# Altium PCB PCB3.PcbDoc (part 9 of 9)
Units mm, origin at the board's own origin, x right, y up, seen from the top; angles counter-clockwise.
Board outline 233.8 x 110.5 mm, 4 copper layers (Top Layer, Layer 1, Layer 2, Bottom Layer), stack 0.603 mm thick; 1414 components, 1732 nets, 4924 pads, 691 vias.
Unrouted connection lines stored in the file: 2464.
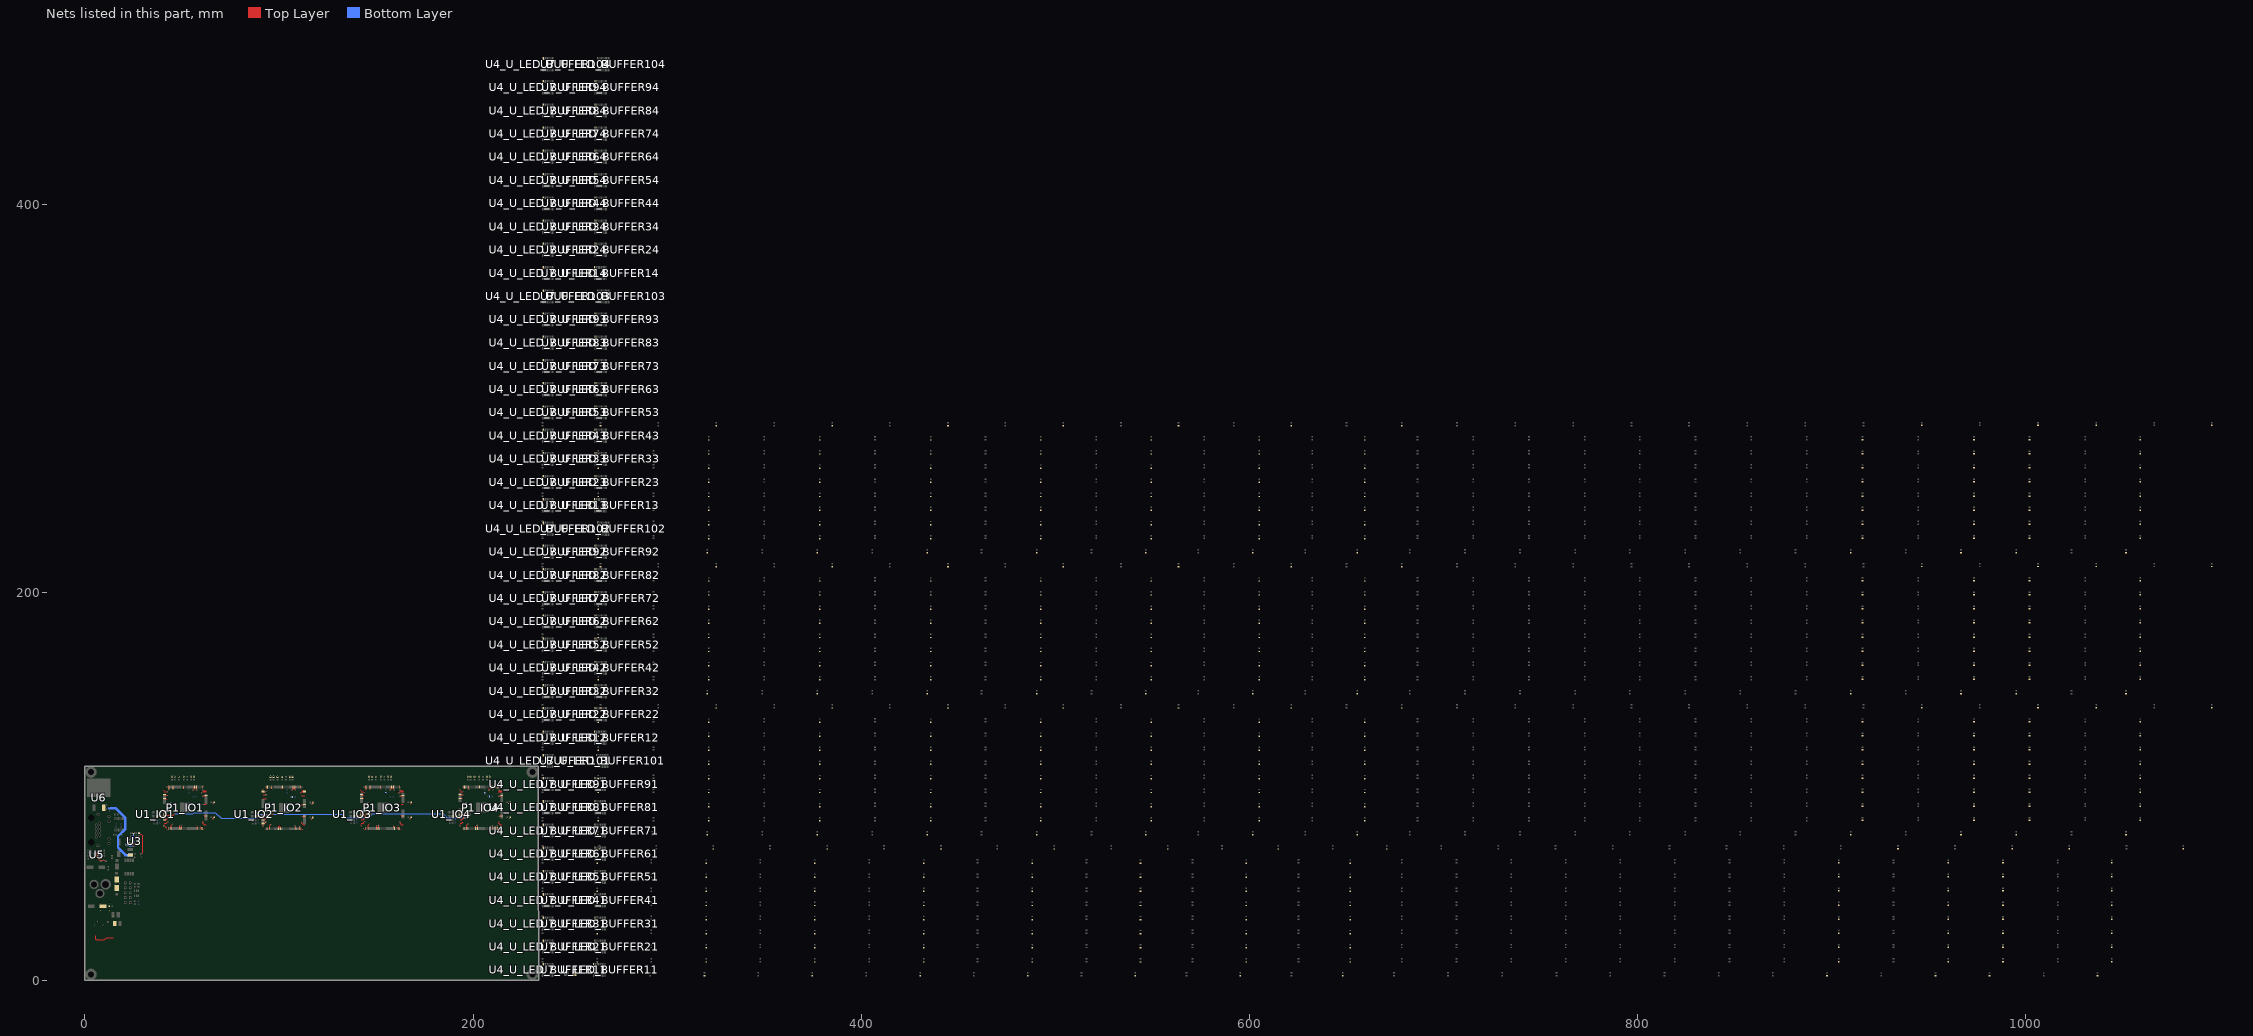
[diagram p11: the nets of this part, all layers, seen from the top]

## Via types
v1: diameter 0.61, hole 0.305, Top Layer to Bottom Layer, 691 vias

## Nets (pads, with @x,y where several pads share a name; then routed paths per layer and width w, separated by ;. In a path a pad name is that pad's centre, name@x,y a point inside that pad or via, vN(x,y) a via of type N, cw(c..) or ccw(c..) an arc to the next point about the centre after c; other vN are vias at no path point) (continued)
VCC_5V: C25.1 C26.2 C27.2 C28_U_LED_BUFFER11.1 C28_U_LED_BUFFER12.1 C28_U_LED_BUFFER13.1 C28_U_LED_BUFFER14.1 C28_U_LED_BUFFER21.1 C28_U_LED_BUFFER22.1 C28_U_LED_BUFFER23.1 C28_U_LED_BUFFER24.1 C28_U_LED_BUFFER31.1 C28_U_LED_BUFFER32.1 C28_U_LED_BUFFER33.1 C28_U_LED_BUFFER34.1 C28_U_LED_BUFFER41.1 C28_U_LED_BUFFER42.1 C28_U_LED_BUFFER43.1 C28_U_LED_BUFFER44.1 C28_U_LED_BUFFER51.1 C28_U_LED_BUFFER52.1 C28_U_LED_BUFFER53.1 C28_U_LED_BUFFER54.1 C28_U_LED_BUFFER61.1 C28_U_LED_BUFFER62.1 C28_U_LED_BUFFER63.1 C28_U_LED_BUFFER64.1 C28_U_LED_BUFFER71.1 C28_U_LED_BUFFER72.1 C28_U_LED_BUFFER73.1 C28_U_LED_BUFFER74.1 C28_U_LED_BUFFER81.1 C28_U_LED_BUFFER82.1 C28_U_LED_BUFFER83.1 C28_U_LED_BUFFER84.1 C28_U_LED_BUFFER91.1 C28_U_LED_BUFFER92.1 C28_U_LED_BUFFER93.1 C28_U_LED_BUFFER94.1 C28_U_LED_BUFFER101.1 C28_U_LED_BUFFER102.1 C28_U_LED_BUFFER103.1 C28_U_LED_BUFFER104.1 C29.2 C32_U_LED_BUFFER11.1 C32_U_LED_BUFFER12.1 C32_U_LED_BUFFER13.1 C32_U_LED_BUFFER14.1 C32_U_LED_BUFFER21.1 C32_U_LED_BUFFER22.1 C32_U_LED_BUFFER23.1 C32_U_LED_BUFFER24.1 C32_U_LED_BUFFER31.1 C32_U_LED_BUFFER32.1 C32_U_LED_BUFFER33.1 C32_U_LED_BUFFER34.1 C32_U_LED_BUFFER41.1 C32_U_LED_BUFFER42.1 C32_U_LED_BUFFER43.1 C32_U_LED_BUFFER44.1 C32_U_LED_BUFFER51.1 C32_U_LED_BUFFER52.1 C32_U_LED_BUFFER53.1 C32_U_LED_BUFFER54.1 C32_U_LED_BUFFER61.1 C32_U_LED_BUFFER62.1 C32_U_LED_BUFFER63.1 C32_U_LED_BUFFER64.1 C32_U_LED_BUFFER71.1 C32_U_LED_BUFFER72.1 C32_U_LED_BUFFER73.1 C32_U_LED_BUFFER74.1 C32_U_LED_BUFFER81.1 C32_U_LED_BUFFER82.1 C32_U_LED_BUFFER83.1 C32_U_LED_BUFFER84.1 C32_U_LED_BUFFER91.1 C32_U_LED_BUFFER92.1 C32_U_LED_BUFFER93.1 C32_U_LED_BUFFER94.1 C32_U_LED_BUFFER101.1 C32_U_LED_BUFFER102.1 C32_U_LED_BUFFER103.1 C32_U_LED_BUFFER104.1 C34_U_LED_BUFFER11.1 C34_U_LED_BUFFER12.1 C34_U_LED_BUFFER13.1 C34_U_LED_BUFFER14.1 C34_U_LED_BUFFER21.1 C34_U_LED_BUFFER22.1 C34_U_LED_BUFFER23.1 C34_U_LED_BUFFER24.1 C34_U_LED_BUFFER31.1 C34_U_LED_BUFFER32.1 C34_U_LED_BUFFER33.1 C34_U_LED_BUFFER34.1 C34_U_LED_BUFFER41.1 C34_U_LED_BUFFER42.1 C34_U_LED_BUFFER43.1 C34_U_LED_BUFFER44.1 C34_U_LED_BUFFER51.1 C34_U_LED_BUFFER52.1 C34_U_LED_BUFFER53.1 C34_U_LED_BUFFER54.1 C34_U_LED_BUFFER61.1 C34_U_LED_BUFFER62.1 C34_U_LED_BUFFER63.1 C34_U_LED_BUFFER64.1 C34_U_LED_BUFFER71.1 C34_U_LED_BUFFER72.1 C34_U_LED_BUFFER73.1 C34_U_LED_BUFFER74.1 C34_U_LED_BUFFER81.1 C34_U_LED_BUFFER82.1 C34_U_LED_BUFFER83.1 C34_U_LED_BUFFER84.1 C34_U_LED_BUFFER91.1 C34_U_LED_BUFFER92.1 C34_U_LED_BUFFER93.1 C34_U_LED_BUFFER94.1 C34_U_LED_BUFFER101.1 C34_U_LED_BUFFER102.1 C34_U_LED_BUFFER103.1 C34_U_LED_BUFFER104.1 C35_U_LED_BUFFER11.1 C35_U_LED_BUFFER12.1 C35_U_LED_BUFFER13.1 C35_U_LED_BUFFER14.1 C35_U_LED_BUFFER21.1 C35_U_LED_BUFFER22.1 C35_U_LED_BUFFER23.1 C35_U_LED_BUFFER24.1 C35_U_LED_BUFFER31.1 C35_U_LED_BUFFER32.1 C35_U_LED_BUFFER33.1 C35_U_LED_BUFFER34.1 C35_U_LED_BUFFER41.1 C35_U_LED_BUFFER42.1 C35_U_LED_BUFFER43.1 C35_U_LED_BUFFER44.1 C35_U_LED_BUFFER51.1 C35_U_LED_BUFFER52.1 C35_U_LED_BUFFER53.1 C35_U_LED_BUFFER54.1 C35_U_LED_BUFFER61.1 C35_U_LED_BUFFER62.1 C35_U_LED_BUFFER63.1 C35_U_LED_BUFFER64.1 C35_U_LED_BUFFER71.1 C35_U_LED_BUFFER72.1 C35_U_LED_BUFFER73.1 C35_U_LED_BUFFER74.1 C35_U_LED_BUFFER81.1 C35_U_LED_BUFFER82.1 C35_U_LED_BUFFER83.1 C35_U_LED_BUFFER84.1 C35_U_LED_BUFFER91.1 C35_U_LED_BUFFER92.1 C35_U_LED_BUFFER93.1 C35_U_LED_BUFFER94.1 C35_U_LED_BUFFER101.1 C35_U_LED_BUFFER102.1 C35_U_LED_BUFFER103.1 C35_U_LED_BUFFER104.1 D7_U_LED_BUFFER11.1 D7_U_LED_BUFFER12.1 D7_U_LED_BUFFER13.1 D7_U_LED_BUFFER14.1 D7_U_LED_BUFFER21.1 D7_U_LED_BUFFER22.1 D7_U_LED_BUFFER23.1 D7_U_LED_BUFFER24.1 D7_U_LED_BUFFER31.1 D7_U_LED_BUFFER32.1 D7_U_LED_BUFFER33.1 D7_U_LED_BUFFER34.1 D7_U_LED_BUFFER41.1 D7_U_LED_BUFFER42.1 D7_U_LED_BUFFER43.1 D7_U_LED_BUFFER44.1 D7_U_LED_BUFFER51.1 D7_U_LED_BUFFER52.1 D7_U_LED_BUFFER53.1 D7_U_LED_BUFFER54.1 D7_U_LED_BUFFER61.1 D7_U_LED_BUFFER62.1 D7_U_LED_BUFFER63.1 D7_U_LED_BUFFER64.1 D7_U_LED_BUFFER71.1 D7_U_LED_BUFFER72.1 D7_U_LED_BUFFER73.1 D7_U_LED_BUFFER74.1 D7_U_LED_BUFFER81.1 D7_U_LED_BUFFER82.1 D7_U_LED_BUFFER83.1 D7_U_LED_BUFFER84.1 D7_U_LED_BUFFER91.1 D7_U_LED_BUFFER92.1 D7_U_LED_BUFFER93.1 D7_U_LED_BUFFER94.1 D7_U_LED_BUFFER101.1 D7_U_LED_BUFFER102.1 D7_U_LED_BUFFER103.1 D7_U_LED_BUFFER104.1 D8_U_LED_BUFFER11.1 D8_U_LED_BUFFER12.1 D8_U_LED_BUFFER13.1 D8_U_LED_BUFFER14.1 D8_U_LED_BUFFER21.1 D8_U_LED_BUFFER22.1 D8_U_LED_BUFFER23.1 D8_U_LED_BUFFER24.1 D8_U_LED_BUFFER31.1 D8_U_LED_BUFFER32.1 D8_U_LED_BUFFER33.1 D8_U_LED_BUFFER34.1 D8_U_LED_BUFFER41.1 D8_U_LED_BUFFER42.1 D8_U_LED_BUFFER43.1 D8_U_LED_BUFFER44.1 D8_U_LED_BUFFER51.1 D8_U_LED_BUFFER52.1 D8_U_LED_BUFFER53.1 D8_U_LED_BUFFER54.1 D8_U_LED_BUFFER61.1 D8_U_LED_BUFFER62.1 D8_U_LED_BUFFER63.1 D8_U_LED_BUFFER64.1 D8_U_LED_BUFFER71.1 D8_U_LED_BUFFER72.1 D8_U_LED_BUFFER73.1 D8_U_LED_BUFFER74.1 D8_U_LED_BUFFER81.1 D8_U_LED_BUFFER82.1 D8_U_LED_BUFFER83.1 D8_U_LED_BUFFER84.1 D8_U_LED_BUFFER91.1 D8_U_LED_BUFFER92.1 D8_U_LED_BUFFER93.1 D8_U_LED_BUFFER94.1 D8_U_LED_BUFFER101.1 D8_U_LED_BUFFER102.1 D8_U_LED_BUFFER103.1 D8_U_LED_BUFFER104.1 D9_U_LED_BUFFER11.1 D9_U_LED_BUFFER12.1 D9_U_LED_BUFFER13.1 D9_U_LED_BUFFER14.1 D9_U_LED_BUFFER21.1 D9_U_LED_BUFFER22.1 D9_U_LED_BUFFER23.1 D9_U_LED_BUFFER24.1 D9_U_LED_BUFFER31.1 D9_U_LED_BUFFER32.1 D9_U_LED_BUFFER33.1 D9_U_LED_BUFFER34.1 D9_U_LED_BUFFER41.1 D9_U_LED_BUFFER42.1 D9_U_LED_BUFFER43.1 D9_U_LED_BUFFER44.1 D9_U_LED_BUFFER51.1 D9_U_LED_BUFFER52.1 D9_U_LED_BUFFER53.1 D9_U_LED_BUFFER54.1 D9_U_LED_BUFFER61.1 D9_U_LED_BUFFER62.1 D9_U_LED_BUFFER63.1 D9_U_LED_BUFFER64.1 D9_U_LED_BUFFER71.1 D9_U_LED_BUFFER72.1 D9_U_LED_BUFFER73.1 D9_U_LED_BUFFER74.1 D9_U_LED_BUFFER81.1 D9_U_LED_BUFFER82.1 D9_U_LED_BUFFER83.1 D9_U_LED_BUFFER84.1 D9_U_LED_BUFFER91.1 D9_U_LED_BUFFER92.1 D9_U_LED_BUFFER93.1 D9_U_LED_BUFFER94.1 D9_U_LED_BUFFER101.1 D9_U_LED_BUFFER102.1 D9_U_LED_BUFFER103.1 D9_U_LED_BUFFER104.1 D10_U_LED_BUFFER11.1 D10_U_LED_BUFFER12.1 D10_U_LED_BUFFER13.1 D10_U_LED_BUFFER14.1 D10_U_LED_BUFFER21.1 D10_U_LED_BUFFER22.1 D10_U_LED_BUFFER23.1 D10_U_LED_BUFFER24.1 D10_U_LED_BUFFER31.1 D10_U_LED_BUFFER32.1 D10_U_LED_BUFFER33.1 D10_U_LED_BUFFER34.1 D10_U_LED_BUFFER41.1 D10_U_LED_BUFFER42.1 D10_U_LED_BUFFER43.1 D10_U_LED_BUFFER44.1 D10_U_LED_BUFFER51.1 D10_U_LED_BUFFER52.1 D10_U_LED_BUFFER53.1 D10_U_LED_BUFFER54.1 D10_U_LED_BUFFER61.1 D10_U_LED_BUFFER62.1 D10_U_LED_BUFFER63.1 D10_U_LED_BUFFER64.1 D10_U_LED_BUFFER71.1 D10_U_LED_BUFFER72.1 D10_U_LED_BUFFER73.1 D10_U_LED_BUFFER74.1 D10_U_LED_BUFFER81.1 D10_U_LED_BUFFER82.1 D10_U_LED_BUFFER83.1 D10_U_LED_BUFFER84.1 D10_U_LED_BUFFER91.1 D10_U_LED_BUFFER92.1 D10_U_LED_BUFFER93.1 D10_U_LED_BUFFER94.1 D10_U_LED_BUFFER101.1 D10_U_LED_BUFFER102.1 D10_U_LED_BUFFER103.1 D10_U_LED_BUFFER104.1 D11_U_LED_BUFFER11.1 D11_U_LED_BUFFER12.1 D11_U_LED_BUFFER13.1 D11_U_LED_BUFFER14.1 D11_U_LED_BUFFER21.1 D11_U_LED_BUFFER22.1 D11_U_LED_BUFFER23.1 D11_U_LED_BUFFER24.1 D11_U_LED_BUFFER31.1 D11_U_LED_BUFFER32.1 D11_U_LED_BUFFER33.1 D11_U_LED_BUFFER34.1 D11_U_LED_BUFFER41.1 D11_U_LED_BUFFER42.1 D11_U_LED_BUFFER43.1 D11_U_LED_BUFFER44.1 D11_U_LED_BUFFER51.1 D11_U_LED_BUFFER52.1 D11_U_LED_BUFFER53.1 D11_U_LED_BUFFER54.1 D11_U_LED_BUFFER61.1 D11_U_LED_BUFFER62.1 D11_U_LED_BUFFER63.1 D11_U_LED_BUFFER64.1 D11_U_LED_BUFFER71.1 D11_U_LED_BUFFER72.1 D11_U_LED_BUFFER73.1 D11_U_LED_BUFFER74.1 D11_U_LED_BUFFER81.1 D11_U_LED_BUFFER82.1 D11_U_LED_BUFFER83.1 D11_U_LED_BUFFER84.1 D11_U_LED_BUFFER91.1 D11_U_LED_BUFFER92.1 D11_U_LED_BUFFER93.1 D11_U_LED_BUFFER94.1 D11_U_LED_BUFFER101.1 D11_U_LED_BUFFER102.1 D11_U_LED_BUFFER103.1 D11_U_LED_BUFFER104.1 D12_U_LED_BUFFER11.1 D12_U_LED_BUFFER12.1 D12_U_LED_BUFFER13.1 D12_U_LED_BUFFER14.1 D12_U_LED_BUFFER21.1 D12_U_LED_BUFFER22.1 D12_U_LED_BUFFER23.1 D12_U_LED_BUFFER24.1 D12_U_LED_BUFFER31.1 D12_U_LED_BUFFER32.1 D12_U_LED_BUFFER33.1 D12_U_LED_BUFFER34.1 D12_U_LED_BUFFER41.1 D12_U_LED_BUFFER42.1 D12_U_LED_BUFFER43.1 D12_U_LED_BUFFER44.1 D12_U_LED_BUFFER51.1 D12_U_LED_BUFFER52.1 D12_U_LED_BUFFER53.1 D12_U_LED_BUFFER54.1 D12_U_LED_BUFFER61.1 D12_U_LED_BUFFER62.1 D12_U_LED_BUFFER63.1 D12_U_LED_BUFFER64.1 D12_U_LED_BUFFER71.1 D12_U_LED_BUFFER72.1 D12_U_LED_BUFFER73.1 D12_U_LED_BUFFER74.1 D12_U_LED_BUFFER81.1 D12_U_LED_BUFFER82.1 D12_U_LED_BUFFER83.1 D12_U_LED_BUFFER84.1 D12_U_LED_BUFFER91.1 D12_U_LED_BUFFER92.1 D12_U_LED_BUFFER93.1 D12_U_LED_BUFFER94.1 D12_U_LED_BUFFER101.1 D12_U_LED_BUFFER102.1 D12_U_LED_BUFFER103.1 D12_U_LED_BUFFER104.1 D13_U_LED_BUFFER11.1 D13_U_LED_BUFFER12.1 D13_U_LED_BUFFER13.1 D13_U_LED_BUFFER14.1 D13_U_LED_BUFFER21.1 D13_U_LED_BUFFER22.1 D13_U_LED_BUFFER23.1 D13_U_LED_BUFFER24.1 D13_U_LED_BUFFER31.1 D13_U_LED_BUFFER32.1 D13_U_LED_BUFFER33.1 D13_U_LED_BUFFER34.1 D13_U_LED_BUFFER41.1 D13_U_LED_BUFFER42.1 D13_U_LED_BUFFER43.1 D13_U_LED_BUFFER44.1 D13_U_LED_BUFFER51.1 D13_U_LED_BUFFER52.1 D13_U_LED_BUFFER53.1 D13_U_LED_BUFFER54.1 D13_U_LED_BUFFER61.1 D13_U_LED_BUFFER62.1 D13_U_LED_BUFFER63.1 D13_U_LED_BUFFER64.1 D13_U_LED_BUFFER71.1 D13_U_LED_BUFFER72.1 D13_U_LED_BUFFER73.1 D13_U_LED_BUFFER74.1 D13_U_LED_BUFFER81.1 D13_U_LED_BUFFER82.1 D13_U_LED_BUFFER83.1 D13_U_LED_BUFFER84.1 D13_U_LED_BUFFER91.1 D13_U_LED_BUFFER92.1 D13_U_LED_BUFFER93.1 D13_U_LED_BUFFER94.1 D13_U_LED_BUFFER101.1 D13_U_LED_BUFFER102.1 D13_U_LED_BUFFER103.1 D13_U_LED_BUFFER104.1 D14_U_LED_BUFFER11.1 D14_U_LED_BUFFER12.1 D14_U_LED_BUFFER13.1 D14_U_LED_BUFFER14.1 D14_U_LED_BUFFER21.1 D14_U_LED_BUFFER22.1 D14_U_LED_BUFFER23.1 D14_U_LED_BUFFER24.1 D14_U_LED_BUFFER31.1 D14_U_LED_BUFFER32.1 D14_U_LED_BUFFER33.1 D14_U_LED_BUFFER34.1 D14_U_LED_BUFFER41.1 D14_U_LED_BUFFER42.1 D14_U_LED_BUFFER43.1 D14_U_LED_BUFFER44.1 D14_U_LED_BUFFER51.1 D14_U_LED_BUFFER52.1 D14_U_LED_BUFFER53.1 D14_U_LED_BUFFER54.1 D14_U_LED_BUFFER61.1 D14_U_LED_BUFFER62.1 D14_U_LED_BUFFER63.1 D14_U_LED_BUFFER64.1 D14_U_LED_BUFFER71.1 D14_U_LED_BUFFER72.1 D14_U_LED_BUFFER73.1 D14_U_LED_BUFFER74.1 D14_U_LED_BUFFER81.1 D14_U_LED_BUFFER82.1 D14_U_LED_BUFFER83.1 D14_U_LED_BUFFER84.1 D14_U_LED_BUFFER91.1 D14_U_LED_BUFFER92.1 D14_U_LED_BUFFER93.1 D14_U_LED_BUFFER94.1 D14_U_LED_BUFFER101.1 D14_U_LED_BUFFER102.1 D14_U_LED_BUFFER103.1 D14_U_LED_BUFFER104.1 L4.2 R18.2 U4_U_LED_BUFFER11.19 U4_U_LED_BUFFER12.19 U4_U_LED_BUFFER13.19 U4_U_LED_BUFFER14.19 U4_U_LED_BUFFER21.19 U4_U_LED_BUFFER22.19 U4_U_LED_BUFFER23.19 U4_U_LED_BUFFER24.19 U4_U_LED_BUFFER31.19 U4_U_LED_BUFFER32.19 U4_U_LED_BUFFER33.19 U4_U_LED_BUFFER34.19 U4_U_LED_BUFFER41.19 U4_U_LED_BUFFER42.19 U4_U_LED_BUFFER43.19 U4_U_LED_BUFFER44.19 U4_U_LED_BUFFER51.19 U4_U_LED_BUFFER52.19 U4_U_LED_BUFFER53.19 U4_U_LED_BUFFER54.19 U4_U_LED_BUFFER61.19 U4_U_LED_BUFFER62.19 U4_U_LED_BUFFER63.19 U4_U_LED_BUFFER64.19 U4_U_LED_BUFFER71.19 U4_U_LED_BUFFER72.19 U4_U_LED_BUFFER73.19 U4_U_LED_BUFFER74.19 U4_U_LED_BUFFER81.19 U4_U_LED_BUFFER82.19 U4_U_LED_BUFFER83.19 U4_U_LED_BUFFER84.19 U4_U_LED_BUFFER91.19 U4_U_LED_BUFFER92.19 U4_U_LED_BUFFER93.19 U4_U_LED_BUFFER94.19 U4_U_LED_BUFFER101.19 U4_U_LED_BUFFER102.19 U4_U_LED_BUFFER103.19 U4_U_LED_BUFFER104.19 U6.3 U7_U_LED_BUFFER11.20 U7_U_LED_BUFFER12.20 U7_U_LED_BUFFER13.20 U7_U_LED_BUFFER14.20 U7_U_LED_BUFFER21.20 U7_U_LED_BUFFER22.20 U7_U_LED_BUFFER23.20 U7_U_LED_BUFFER24.20 U7_U_LED_BUFFER31.20 U7_U_LED_BUFFER32.20 U7_U_LED_BUFFER33.20 U7_U_LED_BUFFER34.20 U7_U_LED_BUFFER41.20 U7_U_LED_BUFFER42.20 U7_U_LED_BUFFER43.20 U7_U_LED_BUFFER44.20 U7_U_LED_BUFFER51.20 U7_U_LED_BUFFER52.20 U7_U_LED_BUFFER53.20 U7_U_LED_BUFFER54.20 U7_U_LED_BUFFER61.20 U7_U_LED_BUFFER62.20 U7_U_LED_BUFFER63.20 U7_U_LED_BUFFER64.20 U7_U_LED_BUFFER71.20 U7_U_LED_BUFFER72.20 U7_U_LED_BUFFER73.20 U7_U_LED_BUFFER74.20 U7_U_LED_BUFFER81.20 U7_U_LED_BUFFER82.20 U7_U_LED_BUFFER83.20 U7_U_LED_BUFFER84.20 U7_U_LED_BUFFER91.20 U7_U_LED_BUFFER92.20 U7_U_LED_BUFFER93.20 U7_U_LED_BUFFER94.20 U7_U_LED_BUFFER101.20 U7_U_LED_BUFFER102.20 U7_U_LED_BUFFER103.20 U7_U_LED_BUFFER104.20 | length 46.4
  Top Layer w0.508: 28.53,75.714 29.68,74.564 29.68,65.858 v1(29.061,65.24)
  Bottom Layer w1.27: 12.478,88.792 15.78,88.792 20.86,83.712 20.86,78.124 17.05,74.314 17.05,68.436 20.86,64.626 C27.2@23.357,64.626
  other v1: 25.722,63.543 29.102,63.652 25.699,65.147 21.812,65.485 12.732,87.268 10.954,88.538 12.732,89.554 10.954,90.57
VCC_12V: C19.2 C20.2 C73.1 C74.2 D5.1 D6.1 R15.2 R37.1 U3.2 U5.1 U5.8 | length 30.3
  Top Layer w0.305: U3.2@25.171,70.788 25.171,69.533 v1(25.255,69.449)
  Top Layer w0.381: 5.631,23.044 5.683,22.991 5.683,21.213 5.734,21.213 6.008,20.939 10.017,20.939 11.192,22.113 14.514,22.113 ; U5.1@6.329,65.571 U5.8@6.329,64.221 6.329,63.479 7.767,62.041 10.332,62.041
  Bottom Layer w0.305: C19.2@22.338,70.008 C19.2@22.897,69.449 ; v1(24.985,76.28) 25.255,76.01 v1(25.255,69.449)
  Bottom Layer w0.381: v1@8.415,63.267 8.423,63.274 R37.1@8.423,64.171
  Bottom Layer w0.508: C19.2@22.897,69.449 v1(25.255,69.449)
  other v1: 9.468,28.452 4.896,28.604 11.805,30.179 6.903,30.408 14.529,33.133 7.947,36.481 12.587,36.481 11.617,38.2 7.947,40.049 12.587,40.049 15.369,49.826 17.388,49.826 8.207,61.476 10.935,61.476 9.426,62.126 8.407,63.191 21.292,69.432 21.292,70.504 23.011,70.491
VCC_FPGA_IO1: P1_IO1.1 P1_IO1.2 P1_IO1.5 P1_IO1.9 P1_IO1.23 P1_IO1.31 P1_IO1.34 P1_IO1.35 P1_IO1.36 P1_IO1.37 P1_IO1.40 P1_IO1.49 P1_IO1.51 P1_IO1.67 P1_IO1.71 P1_IO1.72 P1_IO1.73 P1_IO1.82 P1_IO1.94 P1_IO1.103 P1_IO1.107 P1_IO1.108 P1_IO1.109 P1_IO1.115 P1_IO1.117 P1_IO1.128 P1_IO1.139 P1_IO1.143 P1_IO1.144 R1_IO1.1 R2_IO1.1 R3_IO1.1 R4_IO1.1 R5_IO1.1 R6_IO1.1 R7_IO1.1 R14_IO1.2 R20_IO1.2 | length 45.6
  Top Layer w0.254: v1(40.929,98.376) 40.929,97.785 P1_IO1.1@40.944,97.769 P1_IO1.1@40.95,97.763 ; 40.944,81.019 41.827,81.019 42.328,81.52 42.333,81.52 42.562,81.749 v1(42.658,81.749) ; P1_IO1.31@40.944,82.769 40.95,82.775 41.881,82.775 42.938,83.831 v1(42.938,84.187) ; P1_IO1.23@40.944,86.769 v1(42.187,86.769) ; P1_IO1.9@40.944,93.769 40.95,93.763 42.502,93.763 v1@42.571,93.832 ; P1_IO1.5@40.944,95.769 40.958,95.755 42.461,95.755 v1(42.475,95.741) ; P1_IO1.2@40.944,97.269 40.95,97.275 42.38,97.275 v1(42.387,97.282) ; P1_IO1.36@40.947,80.272 P1_IO1.36@40.944,80.269 40.944,79.761 42.424,78.281 P1_IO1.37@42.932,78.281 ; v1(42.424,99.76) 42.426,99.757 P1_IO1.144@42.932,99.757 P1_IO1.144@42.938,99.763 ; v1(43.225,98.348) 43.229,98.348 43.432,98.551 P1_IO1.143@43.432,99.757 ; P1_IO1.40@44.432,78.281 44.432,79.916 44.971,80.455 v1(44.971,80.509) ; v1(45.432,98.514) P1_IO1.139@45.432,99.757 ; P1_IO1.49@48.932,78.281 48.945,78.294 48.945,79.856 v1(48.957,79.869) ; v1(49.903,80.006) 49.928,79.981 49.928,78.285 P1_IO1.51@49.932,78.281 ; v1(50.932,98.514) P1_IO1.128@50.932,99.757 ; v1(55.814,98.084) 56.432,98.702 P1_IO1.117@56.432,99.757 ; P1_IO1.115@57.432,99.757 57.432,98.657 57.732,98.356 v1(57.732,98.285) ; v1(57.452,79.501) 57.531,79.501 57.909,79.123 57.909,78.304 P1_IO1.67@57.932,78.281 ; v1@59.956,79.361 59.931,79.336 P1_IO1.71@59.931,78.282 ; v1@60.286,96.735 60.82,97.269 P1_IO1.107@62.42,97.269 ; P1_IO1.72@60.432,78.281 P1_IO1.72@60.432,78.281 v1(61.236,78.282) ; P1_IO1.109@60.432,99.757 60.475,99.8 v1(60.981,99.8) ; v1(60.842,81.775) 60.842,81.029 61.579,80.292 62.397,80.292 P1_IO1.73@62.42,80.269 ; v1(60.844,98.105) 61.18,97.769 P1_IO1.108@62.42,97.769 ; v1(60.901,95.031) 60.998,95.031 61.236,95.269 P1_IO1.103@62.42,95.269 ; v1(60.998,90.532) 61.081,90.532 61.325,90.776 62.413,90.776 P1_IO1.94@62.42,90.769 ; v1(61.06,84.523) 61.156,84.523 61.425,84.792 62.398,84.792 P1_IO1.82@62.42,84.769 ; v1(65.988,83.254) 65.988,83.349 66.687,84.047 R20_IO1.2@66.687,84.111 ; v1(66.102,91.179) 66.147,91.179 66.712,91.743 R14_IO1.2@66.712,91.807 ; P1_IO1.71@59.931,78.282 P1_IO1.71@59.932,78.281
  other v1: 42.43,78.276 59.93,79.412 40.91,79.608 44.56,91.234 42.557,93.814 60.243,96.725 59.615,97.375 44.792,105.269 46.29,105.269 48.322,105.269 50.862,105.345 54.799,105.396 56.077,105.436
VCC_FPGA_IO2: P1_IO2.1 P1_IO2.2 P1_IO2.5 P1_IO2.9 P1_IO2.23 P1_IO2.31 P1_IO2.34 P1_IO2.35 P1_IO2.36 P1_IO2.37 P1_IO2.40 P1_IO2.49 P1_IO2.51 P1_IO2.67 P1_IO2.71 P1_IO2.72 P1_IO2.73 P1_IO2.82 P1_IO2.94 P1_IO2.103 P1_IO2.107 P1_IO2.108 P1_IO2.109 P1_IO2.115 P1_IO2.117 P1_IO2.128 P1_IO2.139 P1_IO2.143 P1_IO2.144 R1_IO2.1 R2_IO2.1 R3_IO2.1 R4_IO2.1 R5_IO2.1 R6_IO2.1 R7_IO2.1 R14_IO2.2 R20_IO2.2 R30.1 | length 44
  Top Layer w0.254: v1(91.738,79.542) 91.772,79.575 P1_IO2.36@91.772,80.203 P1_IO2.36@91.775,80.206 ; v1(91.756,98.31) 91.756,97.719 P1_IO2.1@91.772,97.703 P1_IO2.1@91.778,97.697 ; 91.772,80.953 92.655,80.953 93.156,81.454 93.161,81.454 93.39,81.683 v1(93.486,81.683) ; P1_IO2.31@91.772,82.703 91.778,82.709 92.709,82.709 93.766,83.765 v1(93.766,84.121) ; P1_IO2.23@91.772,86.703 v1(93.015,86.703) ; P1_IO2.9@91.772,93.703 91.778,93.697 93.33,93.697 v1@93.399,93.766 ; P1_IO2.5@91.772,95.703 91.786,95.689 93.289,95.689 v1(93.303,95.675) ; P1_IO2.2@91.772,97.203 91.778,97.209 93.208,97.209 v1(93.215,97.216) ; v1(93.251,99.694) 93.254,99.691 P1_IO2.144@93.76,99.691 P1_IO2.144@93.766,99.697 ; v1(93.257,78.21) 93.315,78.21 93.321,78.215 P1_IO2.37@93.76,78.215 ; v1(94.053,98.282) 94.057,98.282 94.26,98.485 P1_IO2.143@94.26,99.691 ; P1_IO2.40@95.26,78.215 95.26,79.85 95.799,80.389 v1(95.799,80.443) ; v1(96.26,98.448) P1_IO2.139@96.26,99.691 ; P1_IO2.49@99.76,78.215 99.773,78.228 99.773,79.79 v1(99.785,79.803) ; v1(100.731,79.94) 100.756,79.915 100.756,78.219 P1_IO2.51@100.76,78.215 ; v1(101.76,98.448) P1_IO2.128@101.76,99.691 ; v1(106.642,98.018) 107.26,98.636 P1_IO2.117@107.26,99.691 ; P1_IO2.115@108.26,99.691 108.26,98.591 108.56,98.29 v1(108.56,98.219) ; v1(108.28,79.435) 108.358,79.435 108.737,79.057 108.737,78.238 P1_IO2.67@108.76,78.215 ; v1@110.784,79.295 110.759,79.27 P1_IO2.71@110.759,78.216 ; v1@111.114,96.669 111.648,97.203 P1_IO2.107@113.248,97.203 ; P1_IO2.72@111.26,78.215 P1_IO2.72@111.26,78.215 v1(112.064,78.216) ; P1_IO2.109@111.26,99.691 111.302,99.734 v1(111.809,99.734) ; v1(111.67,81.709) 111.67,80.963 112.406,80.226 113.225,80.226 P1_IO2.73@113.248,80.203 ; v1(111.672,98.039) 112.008,97.703 P1_IO2.108@113.248,97.703 ; v1(111.729,94.965) 111.826,94.965 112.064,95.203 P1_IO2.103@113.248,95.203 ; v1(111.826,90.466) 111.909,90.466 112.153,90.71 113.241,90.71 P1_IO2.94@113.248,90.703 ; v1(111.888,84.457) 111.984,84.457 112.253,84.725 113.226,84.725 P1_IO2.82@113.248,84.703 ; v1(116.605,83.083) 116.616,83.083 117.515,83.981 R20_IO2.2@117.515,84.045 ; v1(116.856,90.932) 116.856,90.993 117.54,91.677 R14_IO2.2@117.54,91.741 ; P1_IO2.71@110.759,78.216 P1_IO2.71@110.76,78.215
  other v1: 110.758,79.346 94.97,90.656 93.385,93.748 106.344,94.626 111.071,96.659 95.62,105.203 97.118,105.203 99.15,105.203 101.69,105.279 105.627,105.33 106.905,105.37
VCC_FPGA_IO3: P1_IO3.1 P1_IO3.2 P1_IO3.5 P1_IO3.9 P1_IO3.23 P1_IO3.31 P1_IO3.34 P1_IO3.35 P1_IO3.36 P1_IO3.37 P1_IO3.40 P1_IO3.49 P1_IO3.51 P1_IO3.67 P1_IO3.71 P1_IO3.72 P1_IO3.73 P1_IO3.82 P1_IO3.94 P1_IO3.103 P1_IO3.107 P1_IO3.108 P1_IO3.109 P1_IO3.115 P1_IO3.117 P1_IO3.128 P1_IO3.139 P1_IO3.143 P1_IO3.144 R1_IO3.1 R2_IO3.1 R3_IO3.1 R4_IO3.1 R5_IO3.1 R6_IO3.1 R7_IO3.1 R14_IO3.2 R20_IO3.2 R31.1 | length 44.2
  Top Layer w0.254: v1(142.46,79.629) 142.493,79.663 P1_IO3.36@142.493,80.291 P1_IO3.36@142.496,80.294 ; v1(142.478,98.398) 142.478,97.806 P1_IO3.1@142.493,97.791 P1_IO3.1@142.499,97.785 ; 142.493,81.041 143.376,81.041 143.877,81.542 143.883,81.542 144.111,81.77 v1(144.207,81.77) ; P1_IO3.31@142.493,82.791 142.499,82.796 143.43,82.796 144.436,83.802 v1(144.436,84.682) ; P1_IO3.23@142.493,86.791 v1(143.737,86.791) ; P1_IO3.9@142.493,93.791 142.5,93.784 144.052,93.784 v1@144.121,93.853 ; P1_IO3.5@142.493,95.791 142.507,95.777 144.01,95.777 v1(144.024,95.763) ; P1_IO3.2@142.493,97.291 142.499,97.297 143.93,97.297 v1(143.936,97.303) ; v1(143.973,99.781) 143.975,99.779 P1_IO3.144@144.481,99.779 P1_IO3.144@144.487,99.785 ; v1(143.979,78.297) 144.037,78.297 144.042,78.303 P1_IO3.37@144.481,78.303 ; v1(144.774,98.37) 144.778,98.37 144.981,98.573 P1_IO3.143@144.981,99.779 ; P1_IO3.40@145.981,78.303 145.981,79.937 146.52,80.476 v1(146.52,80.531) ; v1(146.981,98.536) P1_IO3.139@146.981,99.779 ; P1_IO3.49@150.481,78.303 150.494,78.315 150.494,79.878 v1(150.507,79.891) ; v1(151.453,80.027) 151.478,80.002 151.478,78.307 P1_IO3.51@151.481,78.303 ; v1(152.481,98.536) P1_IO3.128@152.481,99.779 ; v1(157.363,98.105) 157.981,98.723 P1_IO3.117@157.981,99.779 ; P1_IO3.115@158.981,99.779 158.981,98.678 159.281,98.378 v1(159.281,98.306) ; v1(159.002,79.523) 159.08,79.523 159.458,79.144 159.458,78.326 P1_IO3.67@159.481,78.303 ; v1@161.505,79.383 161.48,79.358 P1_IO3.71@161.48,78.304 ; v1@161.835,96.756 162.37,97.291 P1_IO3.107@163.969,97.291 ; P1_IO3.72@161.981,78.303 161.982,78.304 v1(162.786,78.304) ; P1_IO3.109@161.981,99.779 162.024,99.821 v1(162.531,99.821) ; v1(162.391,81.796) 162.391,81.051 163.128,80.314 163.946,80.314 P1_IO3.73@163.969,80.291 ; v1(162.393,98.127) 162.729,97.791 P1_IO3.108@163.969,97.791 ; v1(162.451,95.053) 162.547,95.053 162.785,95.291 P1_IO3.103@163.969,95.291 ; v1(162.547,90.554) 162.63,90.554 162.874,90.797 163.963,90.797 P1_IO3.94@163.969,90.791 ; v1(162.609,84.545) 162.706,84.545 162.974,84.813 163.947,84.813 P1_IO3.82@163.969,84.791 ; P1_IO3.71@161.48,78.304 P1_IO3.71@161.481,78.303
  Top Layer w0.381: v1(167.657,83.261) 168.045,83.649 168.045,83.942 R20_IO3.2@168.236,84.132 ; v1(167.72,90.959) 168.071,91.31 168.071,91.638 R14_IO3.2@168.261,91.829
  other v1: 161.479,79.433 146.087,91.327 144.106,93.835 154.982,96.277 161.792,96.746 161.131,97.375 146.341,105.291 147.84,105.291 149.872,105.291 152.412,105.367 156.349,105.418 157.626,105.457
VCC_FPGA_IO4: P1_IO4.1 P1_IO4.2 P1_IO4.5 P1_IO4.9 P1_IO4.23 P1_IO4.31 P1_IO4.34 P1_IO4.35 P1_IO4.36 P1_IO4.37 P1_IO4.40 P1_IO4.49 P1_IO4.51 P1_IO4.67 P1_IO4.71 P1_IO4.72 P1_IO4.73 P1_IO4.82 P1_IO4.94 P1_IO4.103 P1_IO4.107 P1_IO4.108 P1_IO4.109 P1_IO4.115 P1_IO4.117 P1_IO4.128 P1_IO4.139 P1_IO4.143 P1_IO4.144 R1_IO4.1 R2_IO4.1 R3_IO4.1 R4_IO4.1 R5_IO4.1 R6_IO4.1 R7_IO4.1 R14_IO4.2 R20_IO4.2 R33.1 R34.1 | length 43.1
  Top Layer w0.254: v1(193.336,79.633) 193.369,79.667 P1_IO4.36@193.369,80.295 P1_IO4.36@193.373,80.298 ; v1(193.354,98.402) 193.354,97.81 P1_IO4.1@193.369,97.795 P1_IO4.1@193.376,97.788 ; 193.369,81.045 194.253,81.045 194.753,81.545 194.759,81.545 194.987,81.774 v1(195.084,81.774) ; P1_IO4.31@193.369,82.795 193.375,82.8 194.306,82.8 195.414,83.908 v1(195.414,84.694) ; P1_IO4.23@193.369,86.795 v1(194.613,86.795) ; P1_IO4.9@193.369,93.795 193.376,93.788 194.928,93.788 v1@194.997,93.857 ; P1_IO4.5@193.369,95.795 193.383,95.781 194.886,95.781 v1(194.9,95.767) ; P1_IO4.2@193.369,97.295 193.376,97.301 194.806,97.301 v1(194.812,97.307) ; v1(194.849,99.785) 194.852,99.783 P1_IO4.144@195.357,99.783 P1_IO4.144@195.364,99.789 ; v1(194.855,78.301) 194.913,78.301 194.918,78.307 P1_IO4.37@195.357,78.307 ; v1(195.651,98.374) 195.654,98.374 195.857,98.577 P1_IO4.143@195.857,99.783 ; P1_IO4.40@196.857,78.307 196.857,79.941 197.397,80.48 v1(197.397,80.534) ; v1(197.857,98.539) P1_IO4.139@197.857,99.783 ; P1_IO4.49@201.357,78.307 201.37,78.319 201.37,79.882 v1(201.383,79.894) ; v1(202.329,80.031) 202.354,80.006 202.354,78.31 P1_IO4.51@202.357,78.307 ; v1(203.357,98.539) P1_IO4.128@203.357,99.783 ; v1(208.24,98.109) 208.857,98.727 P1_IO4.117@208.857,99.783 ; P1_IO4.115@209.857,99.783 209.857,98.682 210.158,98.382 v1(210.158,98.31) ; v1(209.878,79.527) 209.956,79.527 210.334,79.148 210.334,78.33 P1_IO4.67@210.357,78.307 ; v1@212.381,79.386 212.357,79.362 P1_IO4.71@212.357,78.307 ; v1@212.711,96.76 213.246,97.295 P1_IO4.107@214.845,97.295 ; P1_IO4.72@212.857,78.307 P1_IO4.72@212.857,78.307 v1(213.662,78.308) ; P1_IO4.109@212.857,99.783 212.9,99.825 v1(213.407,99.825) ; v1(213.267,81.8) 213.267,81.054 214.004,80.318 214.822,80.318 P1_IO4.73@214.845,80.295 ; v1(213.27,98.13) 213.605,97.795 P1_IO4.108@214.845,97.795 ; v1(213.327,95.057) 213.423,95.057 213.661,95.295 P1_IO4.103@214.845,95.295 ; v1(213.424,90.558) 213.507,90.558 213.75,90.801 214.839,90.801 P1_IO4.94@214.845,90.795 ; v1(213.486,84.548) 213.582,84.548 213.85,84.817 214.823,84.817 P1_IO4.82@214.845,84.795 ; P1_IO4.71@212.357,78.307 P1_IO4.71@212.357,78.307
  Top Layer w0.381: v1(218.706,91.15) 218.749,91.194 218.749,91.381 219.137,91.769 R14_IO4.2@219.137,91.832
  Bottom Layer w0.254: v1(209.878,79.527) v1@209.922,79.527 ; v1@210.158,98.234 v1(210.158,98.31)
  other v1: 212.356,79.437 218.835,83.644 196.568,90.747 194.982,93.839 207.834,94.779 206.144,96.203 212.668,96.75 197.217,105.294 198.716,105.294 200.748,105.294 203.288,105.371 207.225,105.421 208.502,105.461
X_25M_IO1: P1_IO1.27 U1_IO1.3 | length 7.4
  Top Layer w0.254: U1_IO1.3@37.247,84.83 U1_IO1.3@37.308,84.769 ; U1_IO1.3@37.308,84.769 P1_IO1.27@40.944,84.769 U1_IO1.3@37.308,84.769
X_25M_IO2: P1_IO2.27 U1_IO2.3 | length 7.4
  Top Layer w0.254: U1_IO2.3@88.075,84.764 U1_IO2.3@88.136,84.703 ; U1_IO2.3@88.136,84.703 P1_IO2.27@91.772,84.703 U1_IO2.3@88.136,84.703
X_25M_IO3: P1_IO3.27 U1_IO3.3 | length 7.4
  Top Layer w0.254: U1_IO3.3@138.796,84.852 U1_IO3.3@138.857,84.791 ; U1_IO3.3@138.857,84.791 P1_IO3.27@142.493,84.791 U1_IO3.3@138.857,84.791
X_25M_IO4: P1_IO4.27 U1_IO4.3 | length 7.4
  Top Layer w0.254: U1_IO4.3@189.672,84.856 U1_IO4.3@189.733,84.795 ; U1_IO4.3@189.733,84.795 P1_IO4.27@193.369,84.795 U1_IO4.3@189.733,84.795
XSIG: P1_IO1.26 P1_IO2.26 P1_IO3.26 P1_IO4.26 | length 180.7
  Top Layer w0.178: P1_IO1.26@40.944,85.269 45.645,85.269 v1(46.214,85.838) ; P1_IO2.26@91.772,85.203 93.959,85.203 94.528,85.772 v1(97.042,85.772) ; P1_IO3.26@142.493,85.291 144.68,85.291 145.249,85.86 v1(147.763,85.86) ; P1_IO4.26@193.369,85.295 195.556,85.295 196.125,85.863 v1(198.64,85.863)
  Bottom Layer w0.178: v1(46.214,85.838) 55.581,85.838 56.27,86.528 67.275,86.528 70.136,83.666 88.378,83.666 90.484,85.772 v1(97.042,85.772) 132.592,85.772 134.499,83.865 146.303,83.865 147.763,85.326 v1(147.763,85.86) 184.574,85.86 186.598,83.836 197.169,83.836 198.594,85.26 198.594,85.817 v1(198.64,85.863)
pads on no net: J1.3 J1.9 J1.10 J1.11 J1.12 J1.MH3 J1.MH4 J2.3 P1_IO1.145 P1_IO2.145 P1_IO3.145 P1_IO4.145 P3.6 P3.7 P3.8 U2.11 U2.12 U2.13 U2.14 U14.6 U14.12 U14.13 U14.14 U14.15
copper on no net: | length 211.1
  Top Layer w0.178: 19.501,17.733 19.501,18.165 20.114,18.778 20.114,19.513 ; 20.114,20.813 21.333,20.813 21.517,20.997 21.673,21.153 22.367,21.848 22.371,21.848 ; 21.025,17.733 22.535,17.733 22.56,17.708 ; 24.015,35.274 v1@26.473,35.274 ; 24.015,35.935 24,35.92 23.047,35.92 22.639,35.512 22.639,33.559 23.032,33.166 v1(27.21,33.166)
  Top Layer w0.254: 10.128,19.79 10.205,19.79 11.878,21.463 14.514,21.463 ; 12.44,19.881 12.44,20.324 12.929,20.813 14.514,20.813 ; 23.96,17.708 24.022,17.77 24.022,19.088
  Top Layer w0.305: 20.114,20.163 22.508,20.163 ; 22.498,19.088 22.498,20.404
  Top Layer w0.381: v1(11.576,18.495) 11.593,18.478 11.65,18.478 11.653,18.481 12.44,18.481 ; v1(18.637,35.935) 19.951,35.935 ; 19.951,34.639 21.19,34.639 v1@21.343,34.487 ; 19.951,36.57 21.335,36.57 v1@21.343,36.562 ; 24.015,34.639 25.45,34.639 v1@25.455,34.634 ; 24.015,36.57 25.48,36.57 v1@25.497,36.552 ; 24.022,20.468 25.309,20.468 25.851,21.01 25.851,27.995 25.267,28.579
  Bottom Layer w0.178: v1(10.524,20.045) 12.258,20.045 18.457,26.244 18.457,34.902 18.066,35.293 18.066,36.93 18.17,37.034 19.416,37.034 20.508,35.943 22.772,35.943 26.629,32.086 27.464,32.086 30.374,34.996 ; v1(26.41,35.273) 27.539,35.273 30.124,37.858 30.124,53.262 ; v1(27.21,33.166) 29.945,35.901
  Bottom Layer w0.254: 2.191,74.195 2.127,74.195 1.873,73.941 1.873,73.877 0.818,72.821 0.818,60.265 2.145,58.937 2.145,53.296 0.738,51.888 0.738,46.285 2.663,44.359 2.663,27.548 4.182,26.029 15.648,26.029 v1(16.473,26.854) ; 191.339,99.198 192.025,99.198 v1@192.314,98.909 ; 212.076,78.113 212.076,77.913 v1(212.965,77.024)
  Bottom Layer w0.381: v1(18.637,35.935) 19.284,35.288 19.284,22.966 v1(22.031,20.22) ; 67.687,98.713 67.7,98.7 68.847,98.7 v1(68.861,98.686) ; 118.515,98.647 119.428,98.647 119.506,98.725 v1(119.567,98.725) ; 220.112,98.739 220.12,98.73 221.255,98.73 v1(221.264,98.722)
  Bottom Layer w0.508: 2.191,75.719 3.847,75.719 5.535,75.719 5.808,75.992 ; 27.815,71.413 27.821,71.406 28.835,71.406 v1(28.842,71.399) ; 38.913,99.173 39.565,99.173 v1@39.966,98.772 ; 59.651,78.088 59.72,78.088 60.898,76.91 61.08,76.91 v1(61.099,76.891) ; 89.741,99.107 90.418,99.107 v1@90.702,98.822 ; 110.479,78.022 110.548,78.022 111.696,76.873 111.773,76.873 v1(111.792,76.854) ; 140.462,99.195 140.525,99.132 141.327,99.132 141.421,99.038 141.431,99.038 141.459,99.01 v1@141.459,99 ; v1(159.812,76.915) 159.832,76.935 159.956,76.935 161.131,78.11 161.2,78.11 ; 189.38,79.59 189.38,78.051 189.391,78.04
  other v1: 24.022,18.429 24.416,20.466 24.86,22.28 21.584,23.473 22.404,23.492 20.173,25.455 21.323,26.902 23.413,27.182 24.958,27.181 20.173,28.579 22.473,28.579 24.165,28.591 21.323,30.179 20.212,31.779 22.244,31.779 21.368,34.487 25.437,34.642 21.35,36.57 25.429,36.587 3.867,73.803 117.26,77.115 63.364,77.296 66.527,77.289 114.169,77.349 215.835,77.354 219.048,77.369 88.145,77.387 168.106,77.392 37.251,77.415 164.992,77.431 138.818,77.502 189.369,77.532 40.893,78.058 193.28,78.066 142.455,78.132 38.493,78.256 89.191,78.271 139.976,78.37 190.943,78.37 91.121,78.444 89.201,79.112 114.21,79.117 112.554,79.14 167.323,79.137 63.408,79.158 190.893,79.183 215.81,79.183 38.394,79.224 164.891,79.252 218.198,79.259 139.93,79.315 116.532,79.376 65.683,79.424 61.096,79.607 162.663,79.607 214.718,79.64 93.918,79.889 138.106,79.905 36.57,79.938 195.566,79.92 43.121,79.94 144.647,79.96 87.344,79.999 97.672,80.049 46.931,80.128 148.426,80.148 199.275,80.199 95.071,81.294 44.266,81.36 107.936,81.36 145.874,81.352 196.709,81.342 158.665,81.441 57.129,81.507 209.587,81.545 110.199,81.777 160.905,81.784 59.377,81.843 211.771,81.825 99.42,82.058 100.779,82.102 48.637,82.127 150.113,82.188 151.492,82.201 200.867,82.189 49.854,82.229 202.424,82.257 97.736,82.394 46.872,82.432 96.334,82.447 45.44,82.488 147.012,82.493 148.416,82.493 197.852,82.511 199.325,82.561 93.659,82.61 195.236,82.612 42.802,82.717 144.365,82.734 95.114,82.846 145.874,82.897 44.281,82.922 196.684,82.968 110.359,84.179 59.379,84.212 161.004,84.291 211.822,84.339 95.071,84.659 44.368,84.69 145.963,84.667 196.709,84.695 94.949,86.702 145.696,86.73 44.149,86.76 196.633,86.879 44.469,88.772 197.014,88.759 194.931,88.81 93.748,88.84 95.036,88.84 146.062,88.843 42.92,88.889 144.482,88.919 110.1,89.897 59.318,89.999 160.875,90.039 211.721,90.029 44.121,93.448 94.815,93.468 145.671,93.488 111.551,93.509 162.224,93.527 60.682,93.547 213.067,93.534 196.557,93.56 110.24,94.144 59.488,94.187 161.012,94.215 211.822,94.245 119.152,94.68 94.777,95.414 116.572,95.434 218.223,95.465 44.035,95.505 65.767,95.503 167.324,95.498 196.506,95.541 145.569,95.589 55.788,95.896 106.588,95.912 208.19,95.922 157.311,95.995 169.846,96.084 68.297,96.181 100.354,96.228 101.665,96.229 151.139,96.272 152.422,96.285 202.018,96.277 49.6,96.308 50.895,96.308 203.288,96.303 45.44,96.374 197.878,96.379 96.186,96.407 146.946,96.425 108.969,96.863 57.751,96.892 159.293,96.905 210.197,96.938 87.624,97.245 119.013,97.26 68.198,97.283 116.631,97.281 65.739,97.311 169.725,97.307 138.401,97.331 36.849,97.357 167.259,97.37 220.661,97.42 218.223,97.446 189.292,97.471 90.342,97.707 49.533,97.728 39.542,97.837 191.858,97.852 141.138,97.986 92.742,98.444 100.493,98.433 151.182,98.487 202.119,98.513 194.327,98.566 62.745,98.596 215.2,98.614 218.188,98.614 65.724,98.64 116.492,98.709 167.271,98.741 169.785,98.75 39.958,98.787 42.018,98.825 90.758,98.822 192.29,98.843 143.501,98.911 86.294,99.008 113.019,99.008 141.478,99.019 35.812,99.066 137.058,99.116 163.783,99.102 187.925,99.134 88.54,99.39 190.14,99.39 37.917,99.472 139.299,99.503 116.392,99.643 63.07,99.714 113.931,99.701 164.591,99.742 217.994,99.732 167.156,99.794 65.598,99.812 215.531,99.808 86.289,100.033 187.889,100.033 35.666,100.116 137.048,100.146 88.521,100.276 37.948,100.376 190.08,100.37 139.267,100.423 40.935,100.56 91.759,100.55 193.382,100.57 142.475,100.661 187.86,100.928 89.755,100.992 35.694,101.079 191.35,101.078 116.413,101.111 38.879,101.136 86.261,101.135 113.913,101.131 136.995,101.143 140.486,101.167 65.584,101.21 167.131,101.204 218.017,101.206 164.733,101.23 63.141,101.253 215.454,101.281 88.555,101.32 190.155,101.32 37.932,101.402 139.314,101.433 3.842,106.064 6.636,106.064 3.842,107.842 6.636,107.842

## Polygon pours and split planes (outlines as drawn)
GND on Layer 1 (split plane): 233.132,71.84 233.132,71.839 233.132,71.838 233.288,0.51 0.51,0.51 0.51,109.99 233.19,109.99
VCC_FPGA_IO3 on Layer 2 (split plane): 168.672,41.933 138.662,41.933 138.662,71.752 168.672,71.752
VCC_FPGA_IO1 on Layer 2 (split plane): 67.255,41.902 37.47,41.902 37.47,71.679 67.255,71.679
VCC_FPGA_IO4 on Layer 2 (split plane): 219.675,41.82 189.529,41.82 189.529,71.789 219.675,71.789
VCC_FPGA_IO2 on Layer 2 (split plane): 117.848,41.82 88.093,41.82 88.093,71.825 117.848,71.825
no net on Layer 2 (split plane): 28.308,109.958 28.396,109.91 28.492,109.881 28.592,109.872 30.764,109.872 30.764,77.677 30.773,77.577 30.802,77.482 30.85,77.393 30.913,77.316 30.99,77.253 31.079,77.205 31.174,77.176 31.274,77.167 224.756,77.167 224.756,33.937 19.338,33.937 19.338,37.192 19.329,37.291 19.305,37.369 19.305,65.045 19.305,66.184 24.416,66.184 24.516,66.193 24.611,66.222 24.7,66.27 24.777,66.333 24.84,66.41 24.888,66.499 24.917,66.594 24.926,66.694 24.926,72.028 24.917,72.128 24.888,72.223 24.84,72.312 24.777,72.389 24.7,72.452 24.611,72.5 24.516,72.529 24.416,72.538 0.51,72.538 0.51,109.99 28.269,109.99
no net on Layer 2 (split plane): 23.906,67.204 18.795,67.204 18.695,67.195 18.599,67.166 18.511,67.118 18.434,67.055 18.37,66.978 18.323,66.889 18.294,66.794 18.284,66.694 18.284,65.045 18.284,18.436 0.51,18.436 0.51,63.727 0.533,63.8 0.542,63.9 0.542,65.045 0.533,65.145 0.51,65.218 0.51,71.518 23.906,71.518
no net on Layer 2 (split plane): 233.132,71.84 233.132,71.839 233.132,71.838 233.288,0.51 0.51,0.51 0.51,17.416 18.828,17.416 18.928,17.425 19.023,17.454 19.112,17.502 19.189,17.565 19.252,17.642 19.3,17.731 19.329,17.826 19.338,17.926 19.329,18.026 19.305,18.104 19.305,32.916 225.267,32.916 225.366,32.926 225.462,32.955 225.55,33.002 225.628,33.065 225.691,33.143 225.738,33.231 225.767,33.327 225.777,33.426 225.777,77.677 225.767,77.777 225.738,77.872 225.691,77.961 225.628,78.038 225.55,78.102 225.462,78.149 225.366,78.178 225.267,78.188 31.784,78.188 31.784,109.99 233.19,109.99

## Other copper
Top Layer:
  rectangle: 187.636,98.923 189.085,101.41
  rectangle: 189.593,98.912 190.609,101.664
  rectangle: 138.752,98.907 139.768,101.777
  rectangle: 136.795,98.983 138.244,101.523
  rectangle: 86.036,98.87 87.485,101.41
  rectangle: 87.993,98.794 89.009,101.664
  rectangle: 37.37,98.876 38.386,101.746
  rectangle: 35.413,98.952 36.862,101.492
  rectangle net VCC_FPGA_IO4: 192.615,80.664 194.22,81.423
  region net VCC_5V: 29.659,63.199 29.659,65.762 21.551,65.762 21.551,63.199
  region net GND: 5.874,91.078 1.048,91.078 1.048,86.76 5.874,86.76
  rectangle net VCC_5V: 8.414,86.76 13.24,91.078
  rectangle net VCC_12V: 7.833,61.131 11.28,62.487
  rectangle: 22.709,23.849 25.257,27.465
  rectangle net GND: 14.683,69.361 20.177,73.349
  rectangle net VCC_12V: 7.444,35.899 13.182,40.629
  rectangle net GND: 1.551,35.861 5.498,40.629
  rectangle: 13.634,19.206 16.047,20.375
  region: 15.386,27.233 12.821,27.233 12.821,22.61 15.386,22.61
  region: 21.406,23.956 18.663,23.956 18.663,21.264 21.406,21.264
  region: 23.336,23.016 23.336,23.956 18.714,23.956 18.714,23.016
  rectangle net VCC_12V: 4.359,21.594 6.924,30.738
  region net VCC_12V: 15.621,34.472 14.142,34.472 14.142,28.776 15.621,28.776
  rectangle: 19.653,24.85 22.128,32.643
  region net GND: 19.171,31.881 16.986,31.881 16.986,27.898 19.171,27.898
  region: 15.31,22.597 15.31,25.201 7.334,25.201 7.334,22.597
  rectangle: 7.309,21.594 9.874,25.201
  region net GND: 17.621,34.446 16.038,34.446 16.038,31.454 17.621,31.454
  rectangle: 23.174,21.391 25.267,27.207
  region net VCC_12V: 16.478,27.868 16.478,30.814 4.36,30.814 4.36,27.868
  region: 16.128,27.269 16.128,24.794 22.117,24.794 22.117,27.269
  region: 25.445,27.868 25.445,32.639 20.127,32.639 20.127,27.868
  rectangle net PWR_CNTRL: 15.122,61.045 18.785,67.215
  region net NetD4_1: 17.931,54.068 17.931,60.728 14.957,60.728 14.957,54.068
  region net VCC_12V: 17.881,45.81 17.881,53.684 14.906,53.684 14.906,45.81
  rectangle net PWR_LOCAL: 10.984,42.815 13.756,48.447
  rectangle net PWR_LOCAL: 11.012,42.3 17.672,45.274
  region net PWR_LOCAL: 13.346,57.854 13.346,59.596 6.446,59.596 6.446,57.854
  rectangle net PWR_LOCAL: 6.438,53.48 10.655,59.601
  rectangle net PWR_LOCAL: 7.571,47.951 13.768,54.768
  rectangle net GND: 2.615,48.028 7.037,52.752
  rectangle net GND: 0.586,46.714 4.802,59.889
Bottom Layer:
  rectangle net VCC_12V: 14.123,30.108 15.666,34.426
  rectangle net VCC_12V: 4.35,27.832 16.288,30.626
  region net VCC_5V: 30.836,63.199 30.836,65.749 21.566,65.749 21.566,63.199
  rectangle: 2.826,105.048 7.652,108.604
  region net GND: 6.89,91.078 1.048,91.078 1.048,86.76 6.89,86.76
  rectangle net VCC_5V: 7.906,86.76 13.24,91.078
Layer 2 (plane layer: these items are gaps in the copper):
  lines w1.016: 0.032,18.18 0.286,17.926 18.828,17.926 18.795,17.959 18.795,65.045 18.795,66.694 24.416,66.694 24.416,72.028 0.032,72.028 ; 0.032,63.9 0.032,65.045 ; 18.828,37.192 18.828,33.426 225.267,33.426 225.267,77.677 31.274,77.677 31.274,110.382 28.592,110.382 ; 36.96,41.392 36.96,72.19 67.766,72.19 67.766,41.392 36.96,41.392 ; 87.583,41.309 118.359,41.309 118.359,72.336 87.583,72.336 87.583,41.309 ; 138.152,41.422 169.182,41.422 169.182,72.263 138.152,72.263 138.152,41.422 ; 189.019,41.309 220.185,41.309 220.185,72.299 189.019,72.299 189.019,41.309

## Silkscreen, mask and mechanical layers (free items; w line width, h text height)
Bottom Overlay:
  region: 76.74,60.09 36.1,60.09 36.1,6.75 76.74,6.75

## Text inside footprints (layer, text, board x,y; h text height)
P3: Top Overlay "2" at 21.307,37.598 h1.02 r90; Top Overlay "1" at 23.847,38.106 h1.02 r90; Top Overlay "9" at 23.847,51.822 h1.02 r90; Top Overlay "10" at 21.307,51.822 h1.02 r90